# Allegro board 8880F5-0824_updates.brd (continued)
## Routing (per net, layer and track width the routed paths; a pad name or vN(x,y) marks a point on that pad's centre or on a via; arc(x,y) is an arc through that point) (continued)
245.67,71.12 ; D322.B6 247.09,71.12 ; D322.B6 246.38,71.83 ; 334.47,388.62 D116.B6 ; D116.B6 335.28,387.81 ; D116.B6 336.09,388.62 ; D116.B6 335.28,389.43 ; 40.64,55.07 D127.A12 ; D127.A12 41.45,55.88 ; D127.A12 40.64,56.69 ; D127.A12 39.83,55.88 ; 93.98,75.39 D130.A4 ; D130.A4 94.79,76.2 ; D130.A4 93.98,77.01 ; D130.A4 93.17,76.2 ; D110.A4 414.02,353.87 ; D110.A4 414.02,352.25 ; D110.A4 413.21,353.06 ; D110.A4 414.83,353.06 ; 307.34,88.19 D301.B1 ; D301.B1 306.63,88.9 ; D301.B1 307.34,89.61 ; D301.B1 308.05,88.9 ; D124.A13 264.97,33.02 ; D124.A13 264.16,33.83 ; D124.A13 264.16,32.21 ; D124.A13 263.35,33.02 ; D103.B1 308.15,58.42 ; D103.B1 306.53,58.42 ; D103.B1 307.34,59.23 ; D103.B1 307.34,57.61 ; 382.73,40.64 D108.B2 ; D108.B2 383.54,39.83 ; D108.B2 384.35,40.64 ; D108.B2 383.54,41.45 ; 414.02,65.33 D306.A14 ; D306.A14 413.31,66.04 ; D306.A14 414.73,66.04 ; D306.A14 414.02,66.75 ; 182.07,60.96 D119.B10 ; D119.B10 182.88,61.77 ; D119.B10 182.88,60.15 ; D119.B10 183.69,60.96 ; D132.A11 111.76,33.83 ; D132.A11 112.57,33.02 ; D132.A11 110.95,33.02 ; D132.A11 111.76,32.21 ; D125.B2 15.24,102.41 ; D125.B2 16.05,101.6 ; D125.B2 15.24,100.79 ; D125.B2 14.43,101.6 ; 337.82,57.61 D103.B13 ; D103.B13 337.01,58.42 ; D103.B13 337.82,59.23 ; D103.B13 338.63,58.42 ; D111.A10 399.59,373.38 ; D111.A10 398.78,372.57 ; D111.A10 398.78,374.19 ; D111.A10 397.97,373.38 ; 238.76,37.29 D124.B3 ; D124.B3 238.76,38.91 ; D124.B3 239.57,38.1 ; D124.B3 237.95,38.1 ; 401.32,395.43 D112.A9 ; D112.A9 401.32,397.05 ; D112.A9 400.51,396.24 ; D112.A9 402.13,396.24 ; D129.B9 106.68,99.87 ; D129.B9 106.68,98.25 ; D129.B9 105.87,99.06 ; D129.B9 107.49,99.06 ; D322.A9 254.71,63.5 ; D322.A9 253.29,63.5 ; D322.A9 254,64.21 ; D322.A9 254,62.79 ; 270.97,332.74 CSDPS225.B2 ; CSDPS225.B2 271.78,331.93 ; CSDPS225.B2 271.78,333.55 ; CSDPS225.B2 272.59,332.74 ; 167.64,85.65 D317.A4 ; D317.A4 166.93,86.36 ; D317.A4 168.35,86.36 ; D317.A4 167.64,87.07 ; 397.97,55.88 D107.A8 ; D107.A8 399.59,55.88 ; D107.A8 398.78,56.69 ; D107.A8 398.78,55.07 ; D125.A14 46.53,96.52 ; D125.A14 44.91,96.52 ; D125.A14 45.72,95.71 ; D125.A14 45.72,97.33 ; 274.32,329.39 CSDPS225.C1 ; CSDPS225.C1 273.51,330.2 ; CSDPS225.C1 274.32,331.01 ; CSDPS225.C1 275.13,330.2 ; D115.B8 330.2,369.11 ; D115.B8 330.2,367.49 ; D115.B8 329.39,368.3 ; D115.B8 331.01,368.3 ; 248.92,67.87 D322.B7 ; D322.B7 248.92,69.29 ; D322.B7 249.63,68.58 ; D322.B7 248.21,68.58 ; 403.05,327.66 D109.B8 ; D109.B8 403.86,326.85 ; D109.B8 403.86,328.47 ; D109.B8 404.67,327.66 ; D128.A16 50.8,36.37 ; D128.A16 49.99,35.56 ; D128.A16 51.61,35.56 ; D128.A16 50.8,34.75 ; 390.35,391.16 D112.B13 ; D112.B13 391.16,390.35 ; D112.B13 391.97,391.16 ; D112.B13 391.16,391.97 ; 19.51,101.6 D125.B4 ; D125.B4 21.13,101.6 ; D125.B4 20.32,100.79 ; D125.B4 20.32,102.41 ; 248.11,330.2 CSDPS225.C11 ; CSDPS225.C11 248.92,329.39 ; CSDPS225.C11 248.92,331.01 ; CSDPS225.C11 249.73,330.2 ; 415.75,391.16 D112.B3 ; D112.B3 416.56,391.97 ; D112.B3 417.37,391.16 ; D112.B3 416.56,390.35 ; D119.A4 167.64,56.69 ; D119.A4 166.83,55.88 ; D119.A4 167.64,55.07 ; D119.A4 168.45,55.88 ; 337.82,409.4 DPS2.C05 ; DPS2.C05 337.01,410.21 ; DPS2.C05 338.63,410.21 ; DPS2.C05 337.82,411.02 ; 391.16,62.79 D306.A5 ; D306.A5 391.16,64.21 ; D306.A5 390.45,63.5 ; D306.A5 391.87,63.5 ; 411.48,77.93 D106.B13 ; D106.B13 410.67,78.74 ; D106.B13 412.29,78.74 ; D106.B13 411.48,79.55 ; D131.A1 86.36,54.15 ; D131.A1 87.17,53.34 ; D131.A1 86.36,52.53 ; D131.A1 85.55,53.34 ; 182.88,39.83 D120.B10 ; D120.B10 182.88,41.45 ; D120.B10 182.07,40.64 ; D120.B10 183.69,40.64 ; D126.A16 50.8,77.01 ; D126.A16 50.8,75.39 ; D126.A16 51.61,76.2 ; D126.A16 49.99,76.2 ; 171.91,378.46 D431.B12 ; D431.B12 173.53,378.46 ; D431.B12 172.72,377.65 ; D431.B12 172.72,379.27 ; 27.94,77.93 D126.B7 ; D126.B7 27.13,78.74 ; D126.B7 28.75,78.74 ; D126.B7 27.94,79.55 ; D104.B8 325.93,40.64 ; D104.B8 325.12,39.83 ; D104.B8 325.12,41.45 ; D104.B8 324.31,40.64 ; 342.9,88.19 D301.B15 ; D301.B15 343.61,88.9 ; D301.B15 342.19,88.9 ; D301.B15 342.9,89.61 ; 260.91,66.04 D322.A12 ; D322.A12 262.33,66.04 ; D322.A12 261.62,66.75 ; D322.A12 261.62,65.33 ; D119.A2 163.37,55.88 ; D119.A2 162.56,56.69 ; D119.A2 162.56,55.07 ; D119.A2 161.75,55.88 ; 175.26,329.39 CSDPS229.C11 ; CSDPS229.C11 174.45,330.2 ; CSDPS229.C11 175.26,331.01 ; CSDPS229.C11 176.07,330.2 ; 256.54,331.93 CSDPS225.B8 ; CSDPS225.B8 256.54,333.55 ; CSDPS225.B8 255.73,332.74 ; CSDPS225.B8 257.35,332.74 ; 271.78,34.75 D124.A16 ; D124.A16 272.59,35.56 ; D124.A16 270.97,35.56 ; D124.A16 271.78,36.37 ; D431.A15 165.91,386.08 ; D431.A15 165.1,386.89 ; D431.A15 165.1,385.27 ; D431.A15 164.29,386.08 ; D109.A2 419.91,332.74 ; D109.A2 419.1,333.55 ; D109.A2 418.29,332.74 ; D109.A2 419.1,331.93 ; 413.21,81.28 D106.B14 ; D106.B14 414.02,82.09 ; D106.B14 414.02,80.47 ; D106.B14 414.83,81.28 ; D112.A1 421.64,397.05 ; D112.A1 421.64,395.43 ; D112.A1 420.83,396.24 ; D112.A1 422.45,396.24 ; 251.46,60.15 D123.B8 ; D123.B8 250.65,60.96 ; D123.B8 251.46,61.77 ; D123.B8 252.27,60.96 ; 104.14,95.71 D129.A8 ; D129.A8 104.95,96.52 ; D129.A8 104.14,97.33 ; D129.A8 103.33,96.52 ; D231.A15 165.1,376.73 ; D231.A15 165.1,375.11 ; D231.A15 165.91,375.92 ; D231.A15 164.29,375.92 ; 340.36,352.25 D114.A4 ; D114.A4 340.36,353.87 ; D114.A4 339.55,353.06 ; D114.A4 341.17,353.06 ; D123.A10 257.35,55.88 ; D123.A10 256.54,55.07 ; D123.A10 255.73,55.88 ; D123.A10 256.54,56.69 ; D122.A16 271.78,77.01 ; D122.A16 270.97,76.2 ; D122.A16 272.59,76.2 ; D122.A16 271.78,75.39 ; D301.B16 345.44,92.15 ; D301.B16 345.44,90.73 ; D301.B16 346.15,91.44 ; D301.B16 344.73,91.44 ; 174.45,410.21 DPS8.C11 ; DPS8.C11 176.07,410.21 ; DPS8.C11 175.26,409.4 ; DPS8.C11 175.26,411.02 ; D102.A16 345.44,77.01 ; D102.A16 345.44,75.39 ; D102.A16 344.63,76.2 ; D102.A16 346.25,76.2 ; 47.45,99.06 D125.B15 ; D125.B15 48.26,98.25 ; D125.B15 49.07,99.06 ; D125.B15 48.26,99.87 ; 180.34,380.19 D431.B9 ; D431.B9 181.15,381 ; D431.B9 179.53,381 ; D431.B9 180.34,381.81 ; 19.51,96.52 D125.A4 ; D125.A4 20.32,97.33 ; D125.A4 21.13,96.52 ; D125.A4 20.32,95.71 ; 121.92,57.61 D131.B15 ; D131.B15 122.73,58.42 ; D131.B15 121.11,58.42 ; D131.B15 121.92,59.23 ; 421.64,390.35 D112.B1 ; D112.B1 422.45,391.16 ; D112.B1 421.64,391.97 ; D112.B1 420.83,391.16 ; D126.A4 21.13,76.2 ; D126.A4 20.32,75.39 ; D126.A4 20.32,77.01 ; D126.A4 19.51,76.2 ; D301.B9 327.66,89.61 ; D301.B9 326.95,88.9 ; D301.B9 327.66,88.19 ; D301.B9 328.37,88.9 ; 381,57.61 D107.B1 ; D107.B1 380.19,58.42 ; D107.B1 381,59.23 ; D107.B1 381.81,58.42 ; D119.A1 160.02,54.15 ; D119.A1 160.83,53.34 ; D119.A1 159.21,53.34 ; D119.A1 160.02,52.53 ; CSDPS425.B6 262.43,342.9 ; CSDPS425.B6 261.62,342.09 ; CSDPS425.B6 261.62,343.71 ; CSDPS425.B6 260.81,342.9 ; 408.23,91.44 D305.B12 ; D305.B12 408.94,92.15 ; D305.B12 409.65,91.44 ; D305.B12 408.94,90.73 ; D317.B10 183.59,91.44 ; D317.B10 182.88,92.15 ; D317.B10 182.17,91.44 ; D317.B10 182.88,90.73 ; 187.15,55.88 D119.A12 ; D119.A12 187.96,56.69 ; D119.A12 188.77,55.88 ; D119.A12 187.96,55.07 ; D126.A10 36.37,76.2 ; D126.A10 34.75,76.2 ; D126.A10 35.56,77.01 ; D126.A10 35.56,75.39 ; D103.A10 331.01,55.88 ; D103.A10 330.2,56.69 ; D103.A10 330.2,55.07 ; D103.A10 329.39,55.88 ; 90.63,53.34 D131.A3 ; D131.A3 91.44,52.53 ; D131.A3 92.25,53.34 ; D131.A3 91.44,54.15 ; 86.36,37.29 D132.B1 ; D132.B1 86.36,38.91 ; D132.B1 85.55,38.1 ; D132.B1 87.17,38.1 ; D104.A14 341.17,35.56 ; D104.A14 339.55,35.56 ; D104.A14 340.36,36.37 ; D104.A14 340.36,34.75 ; D125.B1 12.7,99.87 ; D125.B1 13.51,99.06 ; D125.B1 11.89,99.06 ; D125.B1 12.7,98.25 ; 314.96,65.33 D302.A4 ; D302.A4 314.96,66.75 ; D302.A4 314.25,66.04 ; D302.A4 315.67,66.04 ; D107.B4 388.62,61.77 ; D107.B4 388.62,60.15 ; D107.B4 389.43,60.96 ; D107.B4 387.81,60.96 ; 90.63,73.66 D130.A3 ; D130.A3 91.44,72.85 ; D130.A3 92.25,73.66 ; D130.A3 91.44,74.47 ; D127.B16 51.61,60.96 ; D127.B16 50.8,61.77 ; D127.B16 50.8,60.15 ; D127.B16 49.99,60.96 ; D305.B13 412.19,88.9 ; D305.B13 411.48,89.61 ; D305.B13 411.48,88.19 ; D305.B13 410.77,88.9 ; D306.A2 384.25,66.04 ; D306.A2 383.54,66.75 ; D306.A2 382.83,66.04 ; D306.A2 383.54,65.33 ; D318.A1 160.73,63.5 ; D318.A1 160.02,64.21 ; D318.A1 160.02,62.79 ; D318.A1 159.31,63.5 ; D130.A12 115.11,76.2 ; D130.A12 113.49,76.2 ; D130.A12 114.3,77.01 ; D130.A12 114.3,75.39 ; D302.B1 308.05,68.58 ; D302.B1 307.34,67.87 ; D302.B1 306.63,68.58 ; D302.B1 307.34,69.29 ; 252.33,187.45 SITE3.G11 ; SITE3.G11 252.33,188.41 ; SITE3.G11 252.81,187.93 ; SITE3.G11 251.85,187.93 ; D116.B9 328.47,391.16 ; D116.B9 327.66,391.97 ; D116.B9 327.66,390.35 ; D116.B9 326.85,391.16 ; D116.B5 338.63,391.16 ; D116.B5 337.01,391.16 ; D116.B5 337.82,391.97 ; D116.B5 337.82,390.35 ; D125.B9 33.02,99.87 ; D125.B9 33.02,98.25 ; D125.B9 32.21,99.06 ; D125.B9 33.83,99.06 ; D306.B5 391.87,68.58 ; D306.B5 391.16,67.87 ; D306.B5 391.16,69.29 ; D306.B5 390.45,68.58 ; 263.35,73.66 D122.A13 ; D122.A13 264.97,73.66 ; D122.A13 264.16,72.85 ; D122.A13 264.16,74.47 ; 395.43,53.34 D107.A7 ; D107.A7 396.24,52.53 ; D107.A7 397.05,53.34 ; D107.A7 396.24,54.15 ; 172.72,85.65 D317.A6 ; D317.A6 172.72,87.07 ; D317.A6 172.01,86.36 ; D317.A6 173.43,86.36 ; 347.98,414.48 DPS2.A01 ; DPS2.A01 348.79,415.29 ; DPS2.A01 347.17,415.29 ; DPS2.A01 347.98,416.1 ; D302.B10 330.2,71.83 ; D302.B10 329.49,71.12 ; D302.B10 330.91,71.12 ; D302.B10 330.2,70.41 ; 176.99,368.3 D231.B10 ; D231.B10 177.8,369.11 ; D231.B10 177.8,367.49 ; D231.B10 178.61,368.3 ; 50.8,100.79 D125.B16 ; D125.B16 49.99,101.6 ; D125.B16 51.61,101.6 ; D125.B16 50.8,102.41 ; D106.A13 412.29,73.66 ; D106.A13 410.67,73.66 ; D106.A13 411.48,74.47 ; D106.A13 411.48,72.85 ; 403.86,65.33 D306.A10 ; D306.A10 403.15,66.04 ; D306.A10 404.57,66.04 ; D306.A10 403.86,66.75 ; 398.78,80.47 D106.B8 ; D106.B8 399.59,81.28 ; D106.B8 397.97,81.28 ; D106.B8 398.78,82.09 ; D122.A14 266.7,77.01 ; D122.A14 265.89,76.2 ; D122.A14 267.51,76.2 ; D122.A14 266.7,75.39 ; D131.A11 111.76,54.15 ; D131.A11 111.76,52.53 ; D131.A11 110.95,53.34 ; D131.A11 112.57,53.34 ; 416.56,370.03 D111.B3 ; D111.B3 415.75,370.84 ; D111.B3 417.37,370.84 ; D111.B3 416.56,371.65 ; D129.B13 117.65,99.06 ; D129.B13 116.03,99.06 ; D129.B13 116.84,98.25 ; D129.B13 116.84,99.87 ; 177.8,382.73 D431.A10 ; D431.A10 176.99,383.54 ; D431.A10 177.8,384.35 ; D431.A10 178.61,383.54 ; 335.28,326.85 D113.B6 ; D113.B6 336.09,327.66 ; D113.B6 334.47,327.66 ; D113.B6 335.28,328.47 ; CSDPS225.C7 259.08,331.01 ; CSDPS225.C7 259.89,330.2 ; CSDPS225.C7 258.27,330.2 ; CSDPS225.C7 259.08,329.39 ; D306.B15 416.56,69.29 ; D306.B15 417.27,68.58 ; D306.B15 416.56,67.87 ; D306.B15 415.85,68.58 ; U1.4 97.04,206.48 ; U1.4 96.1,205.54 ; U1.4 97.04,204.6 ; U1.4 97.98,205.54 ; D322.B4 241.3,71.83 ; D322.B4 241.3,70.41 ; D322.B4 240.59,71.12 ; D322.B4 242.01,71.12 ; 321.77,375.92 D115.A11 ; D115.A11 322.58,375.11 ; D115.A11 322.58,376.73 ; D115.A11 323.39,375.92 ; D301.A8 325.83,86.36 ; D301.A8 325.12,85.65 ; D301.A8 324.41,86.36 ; D301.A8 325.12,87.07 ; UNK4U1.4 483.53,185.11 ; UNK4U1.4 481.65,185.11 ; UNK4U1.4 482.59,186.05 ; UNK4U1.4 482.59,184.17 ; D131.A12 115.11,55.88 ; D131.A12 114.3,56.69 ; D131.A12 113.49,55.88 ; D131.A12 114.3,55.07 ; 403.15,86.36 D305.A10 ; D305.A10 403.86,85.65 ; D305.A10 404.57,86.36 ; D305.A10 403.86,87.07 ; D113.A15 313.23,335.28 ; D113.A15 311.61,335.28 ; D113.A15 312.42,334.47 ; D113.A15 312.42,336.09 ; 182.88,85.65 D317.A10 ; D317.A10 182.17,86.36 ; D317.A10 182.88,87.07 ; D317.A10 183.59,86.36 ; D317.A16 198.83,86.36 ; D317.A16 197.41,86.36 ; D317.A16 198.12,85.65 ; D317.A16 198.12,87.07 ; D322.A4 242.01,66.04 ; D322.A4 240.59,66.04 ; D322.A4 241.3,65.33 ; D322.A4 241.3,66.75 ; D231.B3 196.39,370.84 ; D231.B3 194.77,370.84 ; D231.B3 195.58,370.03 ; D231.B3 195.58,371.65 ; 197.31,383.54 D431.A2 ; D431.A2 198.12,382.73 ; D431.A2 198.93,383.54 ; D431.A2 198.12,384.35 ; 328.33,247.45 SITE2.G7 ; SITE2.G7 328.81,247.93 ; SITE2.G7 327.85,247.93 ; SITE2.G7 328.33,248.41 ; SITE3.G2 249.33,181.81 ; SITE3.G2 249.81,181.33 ; SITE3.G2 248.85,181.33 ; SITE3.G2 249.33,180.85 ; D127.B4 21.13,60.96 ; D127.B4 19.51,60.96 ; D127.B4 20.32,61.77 ; D127.B4 20.32,60.15 ; 175.26,375.11 D231.A11 ; D231.A11 176.07,375.92 ; D231.A11 175.26,376.73 ; D231.A11 174.45,375.92 ; 264.16,62.79 D322.A13 ; D322.A13 264.16,64.21 ; D322.A13 263.45,63.5 ; D322.A13 264.87,63.5 ; D107.A16 419.1,56.69 ; D107.A16 419.91,55.88 ; D107.A16 418.29,55.88 ; D107.A16 419.1,55.07 ; 331.43,242.35 SITE2.G15 ; SITE2.G15 331.43,243.31 ; SITE2.G15 331.91,242.83 ; SITE2.G15 330.95,242.83 ; D231.A13 170.18,376.73 ; D231.A13 170.99,375.92 ; D231.A13 169.37,375.92 ; D231.A13 170.18,375.11 ; 15.24,80.47 D126.B2 ; D126.B2 16.05,81.28 ; D126.B2 15.24,82.09 ; D126.B2 14.43,81.28 ; D132.B6 99.06,41.45 ; D132.B6 98.25,40.64 ; D132.B6 99.87,40.64 ; D132.B6 99.06,39.83 ; 416.56,329.39 D109.B3 ; D109.B3 417.37,330.2 ; D109.B3 416.56,331.01 ; D109.B3 415.75,330.2 ; D126.A12 40.64,77.01 ; D126.A12 40.64,75.39 ; D126.A12 41.45,76.2 ; D126.A12 39.83,76.2 ; 256.54,75.39 D122.A10 ; D122.A10 256.54,77.01 ; D122.A10 255.73,76.2 ; D122.A10 257.35,76.2 ; 88.9,80.47 D130.B2 ; D130.B2 88.09,81.28 ; D130.B2 88.9,82.09 ; D130.B2 89.71,81.28 ; 106.68,72.85 D130.A9 ; D130.A9 106.68,74.47 ; D130.A9 107.49,73.66 ; D130.A9 105.87,73.66 ; D322.A1 233.68,64.21 ; D322.A1 232.97,63.5 ; D322.A1 234.39,63.5 ; D322.A1 233.68,62.79 ; D116.A3 343.71,396.24 ; D116.A3 342.9,397.05 ; D116.A3 342.09,396.24 ; D116.A3 342.9,395.43 ; 405.59,33.02 D108.A11 ; D108.A11 406.4,33.83 ; D108.A11 407.21,33.02 ; D108.A11 406.4,32.21 ; 321.77,330.2 D113.B11 ; D113.B11 322.58,331.01 ; D113.B11 323.39,330.2 ; D113.B11 322.58,329.39 ; 387.81,81.28 D106.B4 ; D106.B4 388.62,82.09 ; D106.B4 389.43,81.28 ; D106.B4 388.62,80.47 ; SITE3.G13 249.03,183.31 ; SITE3.G13 249.03,182.35 ; SITE3.G13 249.51,182.83 ; SITE3.G13 248.55,182.83 ; D118.B14 193.04,82.09 ; D118.B14 193.04,80.47 ; D118.B14 193.85,81.28 ; D118.B14 192.23,81.28 ; D130.B1 87.17,78.74 ; D130.B1 86.36,77.93 ; D130.B1 86.36,79.55 ; D130.B1 85.55,78.74 ; D131.A8 104.14,56.69 ; D131.A8 104.14,55.07 ; D131.A8 104.95,55.88 ; D131.A8 103.33,55.88 ; D301.B3 312.42,89.61 ; D301.B3 311.71,88.9 ; D301.B3 313.13,88.9 ; D301.B3 312.42,88.19 ; D112.B14 388.62,389.43 ; D112.B14 389.43,388.62 ; D112.B14 387.81,388.62 ; D112.B14 388.62,387.81 ; 327.66,62.79 D302.A9 ; D302.A9 328.37,63.5 ; D302.A9 326.95,63.5 ; D302.A9 327.66,64.21 ; 273.51,340.36 CSDPS425.C1 ; CSDPS425.C1 275.13,340.36 ; CSDPS425.C1 274.32,341.17 ; CSDPS425.C1 274.32,339.55 ; 27.94,98.25 D125.B7 ; D125.B7 28.75,99.06 ; D125.B7 27.13,99.06 ; D114.A6 336.09,353.06 ; D114.A6 334.47,353.06 ; D114.A6 335.28,352.25 ; D114.A6 335.28,353.87 ; D118.A1 160.83,73.66 ; D118.A1 159.21,73.66 ; D118.A1 160.02,72.85 ; D118.A1 160.02,74.47 ; D104.B3 312.42,38.91 ; D104.B3 313.23,38.1 ; D104.B3 312.42,37.29 ; D104.B3 311.61,38.1 ; 320.04,90.73 D301.B6 ; D301.B6 319.33,91.44 ; D301.B6 320.75,91.44 ; D301.B6 320.04,92.15 ; 386.08,37.29 D108.B3 ; D108.B3 385.27,38.1 ; D108.B3 386.89,38.1 ; D108.B3 386.08,38.91 ; 43.18,93.17 D125.A13 ; D125.A13 43.99,93.98 ; D125.A13 43.18,94.79 ; D125.A13 42.37,93.98 ; 269.24,13.16 DPS3.A15 ; DPS3.A15 270.05,13.97 ; DPS3.A15 268.43,13.97 ; DPS3.A15 269.24,14.78 ; 333.33,187.45 SITE4.G12 ; SITE4.G12 333.81,187.93 ; SITE4.G12 332.85,187.93 ; SITE4.G12 333.33,188.41 ; 408.23,86.36 D305.A12 ; D305.A12 409.65,86.36 ; D305.A12 408.94,87.07 ; D305.A12 408.94,85.65 ; 329.85,241.33 SITE2.G3 ; SITE2.G3 330.33,241.81 ; SITE2.G3 330.33,240.85 ; SITE2.G3 330.81,241.33 ; 198.12,342.09 CSDPS429.B2 ; CSDPS429.B2 198.12,343.71 ; CSDPS429.B2 198.93,342.9 ; CSDPS429.B2 197.31,342.9 ; D115.B14 315.77,368.3 ; D115.B14 314.15,368.3 ; D115.B14 314.96,369.11 ; D115.B14 314.96,367.49 ; 311.61,330.2 D113.B15 ; D113.B15 312.42,329.39 ; D113.B15 312.42,331.01 ; D113.B15 313.23,330.2 ; 98.25,76.2 D130.A6 ; D130.A6 99.87,76.2 ; D130.A6 99.06,77.01 ; D130.A6 99.06,75.39 ; D119.A16 198.12,56.69 ; D119.A16 197.31,55.88 ; D119.A16 198.93,55.88 ; D119.A16 198.12,55.07 ; D305.A9 402.03,83.82 ; D305.A9 400.61,83.82 ; D305.A9 401.32,84.53 ; D305.A9 401.32,83.11 ; 167.64,75.39 D118.A4 ; D118.A4 168.45,76.2 ; D118.A4 167.64,77.01 ; D118.A4 166.83,76.2 ; 250.65,40.64 D124.B8 ; D124.B8 251.46,41.45 ; D124.B8 252.27,40.64 ; D124.B8 251.46,39.83 ; 271.78,65.33 D322.A16 ; D322.A16 271.07,66.04 ; D322.A16 272.49,66.04 ; D322.A16 271.78,66.75 ; 327.66,354.79 D114.A9 ; D114.A9 327.66,356.41 ; D114.A9 326.85,355.6 ; D114.A9 328.47,355.6 ; 189.69,340.36 CSDPS429.C5 ; CSDPS429.C5 191.31,340.36 ; CSDPS429.C5 190.5,341.17 ; CSDPS429.C5 190.5,339.55 ; D302.B2 310.59,71.12 ; D302.B2 309.88,70.41 ; D302.B2 309.88,71.83 ; D302.B2 309.17,71.12 ; SITE4.G5 332.33,181.81 ; SITE4.G5 332.33,180.85 ; SITE4.G5 332.81,181.33 ; SITE4.G5 331.85,181.33 ; 382.73,327.66 D109.B16 ; D109.B16 384.35,327.66 ; D109.B16 383.54,326.85 ; D109.B16 383.54,328.47 ; 253.33,187.45 SITE3.G12 ; SITE3.G12 252.85,187.93 ; SITE3.G12 253.33,188.41 ; SITE3.G12 253.81,187.93 ; D129.B4 94.79,101.6 ; D129.B4 93.98,102.41 ; D129.B4 93.98,100.79 ; D129.B4 93.17,101.6 ; D104.B9 327.66,38.91 ; D104.B9 326.85,38.1 ; D104.B9 328.47,38.1 ; D104.B9 327.66,37.29 ; 250.85,187.93 SITE3.G10 ; SITE3.G10 251.81,187.93 ; SITE3.G10 251.33,188.41 ; SITE3.G10 251.33,187.45 ; 255.73,35.56 D124.A10 ; D124.A10 256.54,36.37 ; D124.A10 256.54,34.75 ; D124.A10 257.35,35.56 ; 184.61,53.34 D119.A11 ; D119.A11 185.42,54.15 ; D119.A11 186.23,53.34 ; D119.A11 185.42,52.53 ; 329.39,347.98 D114.B8 ; D114.B8 330.2,347.17 ; D114.B8 330.2,348.79 ; D114.B8 331.01,347.98 ; 317.5,390.35 D116.B13 ; D116.B13 318.31,391.16 ; D116.B13 316.69,391.16 ; D116.B13 317.5,391.97 ; D119.A13 191.31,53.34 ; D119.A13 190.5,52.53 ; D119.A13 190.5,54.15 ; D119.A13 189.69,53.34 ; 93.98,80.47 D130.B4 ; D130.B4 93.17,81.28 ; D130.B4 94.79,81.28 ; D130.B4 93.98,82.09 ; 90.63,99.06 D129.B3 ; D129.B3 91.44,98.25 ; D129.B3 92.25,99.06 ; D129.B3 91.44,99.87 ; D128.A6 25.4,36.37 ; D128.A6 25.4,34.75 ; D128.A6 26.21,35.56 ; D128.A6 24.59,35.56 ; 408.94,326.85 D109.B6 ; D109.B6 409.75,327.66 ; D109.B6 408.94,328.47 ; D109.B6 408.13,327.66 ; 344.63,55.88 D103.A16 ; D103.A16 345.44,55.07 ; D103.A16 346.25,55.88 ; D103.A16 345.44,56.69 ; 314.96,80.47 D102.B4 ; D102.B4 314.96,82.09 ; D102.B4 314.15,81.28 ; D102.B4 315.77,81.28 ; 86.36,72.85 D130.A1 ; D130.A1 87.17,73.66 ; D130.A1 86.36,74.47 ; D130.A1 85.55,73.66 ; 241.3,85.65 D321.A4 ; D321.A4 241.3,87.07 ; D321.A4 242.01,86.36 ; D321.A4 240.59,86.36 ; 123.65,35.56 D132.A16 ; D132.A16 124.46,36.37 ; D132.A16 124.46,34.75 ; D132.A16 125.27,35.56 ; 248.11,340.36 CSDPS425.C11 ; CSDPS425.C11 249.73,340.36 ; CSDPS425.C11 248.92,339.55 ; CSDPS425.C11 248.92,341.17 ; 309.07,81.28 D102.B2 ; D102.B2 309.88,80.47 ; D102.B2 310.69,81.28 ; D102.B2 309.88,82.09 ; 48.26,32.21 D128.A15 ; D128.A15 48.26,33.83 ; D128.A15 49.07,33.02 ; D128.A15 47.45,33.02 ; D127.B13 43.18,59.23 ; D127.B13 42.37,58.42 ; D127.B13 43.99,58.42 ; D127.B13 43.18,57.61 ; 317.5,62.79 D302.A5 ; D302.A5 317.5,64.21 ; D302.A5 318.21,63.5 ; D302.A5 316.79,63.5 ; 179.53,73.66 D118.A9 ; D118.A9 181.15,73.66 ; D118.A9 180.34,72.85 ; D118.A9 180.34,74.47 ; D113.B13 317.5,331.01 ; D113.B13 316.69,330.2 ; D113.B13 318.31,330.2 ; D113.B13 317.5,329.39 ; D120.B14 193.04,41.45 ; D120.B14 193.04,39.83 ; D120.B14 192.23,40.64 ; D120.B14 193.85,40.64 ; 339.55,332.74 D113.A4 ; D113.A4 340.36,331.93 ; D113.A4 340.36,333.55 ; D113.A4 341.17,332.74 ; 330.23,182.35 SITE4.G14 ; SITE4.G14 330.71,182.83 ; SITE4.G14 329.75,182.83 ; SITE4.G14 330.23,183.31 ; 198.12,80.47 D118.B16 ; D118.B16 198.93,81.28 ; D118.B16 198.12,82.09 ; D118.B16 197.31,81.28 ; D106.A3 386.89,73.66 ; D106.A3 386.08,74.47 ; D106.A3 386.08,72.85 ; D106.A3 385.27,73.66 ; 179.53,38.1 D120.B9 ; D120.B9 180.34,38.91 ; D120.B9 180.34,37.29 ; D120.B9 181.15,38.1 ; D122.A1 233.68,74.47 ; D122.A1 234.49,73.66 ; D122.A1 233.68,72.85 ; D122.A1 232.87,73.66 ; 96.52,32.21 D132.A5 ; D132.A5 96.52,33.83 ; D132.A5 97.33,33.02 ; D132.A5 95.71,33.02 ; D302.A10 330.2,66.75 ; D302.A10 330.91,66.04 ; D302.A10 330.2,65.33 ; D302.A10 329.49,66.04 ; 259.08,72.85 D122.A11 ; D122.A11 258.27,73.66 ; D122.A11 259.89,73.66 ; D122.A11 259.08,74.47 ; D317.B7 175.26,89.61 ; D317.B7 175.97,88.9 ; D317.B7 174.55,88.9 ; D317.B7 175.26,88.19 ; D305.B3 386.08,89.61 ; D305.B3 386.08,88.19 ; D305.B3 386.79,88.9 ; D305.B3 385.37,88.9 ; 236.22,39.83 D124.B2 ; D124.B2 236.22,41.45 ; D124.B2 235.41,40.64 ; D124.B2 237.03,40.64 ; D302.A16 346.15,66.04 ; D302.A16 345.44,65.33 ; D302.A16 345.44,66.75 ; D302.A16 344.73,66.04 ; D108.B9 402.13,38.1 ; D108.B9 401.32,37.29 ; D108.B9 401.32,38.91 ; D108.B9 400.51,38.1 ; 30.48,34.75 D128.A8 ; D128.A8 29.67,35.56 ; D128.A8 30.48,36.37 ; D128.A8 31.29,35.56 ; 400.51,350.52 D110.B9 ; D110.B9 402.13,350.52 ; D110.B9 401.32,349.71 ; D110.B9 401.32,351.33 ; CSDPS429.C11 176.07,340.36 ; CSDPS429.C11 174.45,340.36 ; CSDPS429.C11 175.26,339.55 ; CSDPS429.C11 175.26,341.17 ; D110.B16 383.54,348.79 ; D110.B16 384.35,347.98 ; D110.B16 383.54,347.17 ; D110.B16 382.73,347.98 ; 169.47,63.5 D318.A5 ; D318.A5 170.18,64.21 ; D318.A5 170.18,62.79 ; D318.A5 170.89,63.5 ; D114.A11 322.58,356.41 ; D114.A11 321.77,355.6 ; D114.A11 322.58,354.79 ; D114.A11 323.39,355.6 ; 190.5,414.48 DPS8.A05 ; DPS8.A05 189.69,415.29 ; DPS8.A05 190.5,416.1 ; DPS8.A05 191.31,415.29 ; 382.83,91.44 D305.B2 ; D305.B2 383.54,92.15 ; D305.B2 383.54,90.73 ; D305.B2 384.25,91.44 ; D118.A6 173.53,76.2 ; D118.A6 172.72,75.39 ; D118.A6 171.91,76.2 ; D118.A6 172.72,77.01 ; D119.B8 177.8,61.77 ; D119.B8 176.99,60.96 ; D119.B8 177.8,60.15 ; D119.B8 178.61,60.96 ; 414.02,75.39 D106.A14 ; D106.A14 414.02,77.01 ; D106.A14 413.21,76.2 ; D106.A14 414.83,76.2 ; 380.19,13.97 DPS1.A01 ; DPS1.A01 381,14.78 ; DPS1.A01 381.81,13.97 ; DPS1.A01 381,13.16 ; 381,37.29 D108.B1 ; D108.B1 380.19,38.1 ; D108.B1 381.81,38.1 ; D108.B1 381,38.91 ; D113.A3 342.9,336.09 ; D113.A3 342.9,334.47 ; D113.A3 342.09,335.28 ; D113.A3 343.71,335.28 ; D129.A12 114.3,97.33 ; D129.A12 115.11,96.52 ; D129.A12 113.49,96.52 ; D129.A12 114.3,95.71 ; SITE1.G9 250.81,247.93 ; SITE1.G9 249.85,247.93 ; SITE1.G9 250.33,247.45 ; SITE1.G9 250.33,248.41 ; SITE3.G18 250.23,186.91 ; SITE3.G18 250.71,186.43 ; SITE3.G18 250.23,185.95 ; SITE3.G18 249.75,186.43 ; D108.A9 402.13,33.02 ; D108.A9 401.32,33.83 ; D108.A9 401.32,32.21 ; D108.A9 400.51,33.02 ; 193.04,85.65 D317.A14 ; D317.A14 193.04,87.07 ; D317.A14 193.75,86.36 ; D317.A14 192.33,86.36 ; 109.22,75.39 D130.A10 ; D130.A10 108.41,76.2 ; D130.A10 110.03,76.2 ; D130.A10 109.22,77.01 ; D116.B8 330.2,389.43 ; D116.B8 329.39,388.62 ; D116.B8 331.01,388.62 ; D116.B8 330.2,387.81 ; D301.A15 342.9,84.53 ; D301.A15 343.61,83.82 ; D301.A15 342.19,83.82 ; D301.A15 342.9,83.11 ; 184.71,63.5 D318.A11 ; D318.A11 186.13,63.5 ; D318.A11 185.42,64.21 ; D318.A11 185.42,62.79 ; 326.85,335.28 D113.A9 ; D113.A9 327.66,336.09 ; D113.A9 328.47,335.28 ; D113.A9 327.66,334.47 ; D115.B5 337.82,371.65 ; D115.B5 337.82,370.03 ; D115.B5 337.01,370.84 ; D115.B5 338.63,370.84 ; 175.26,385.27 D431.A11 ; D431.A11 175.26,386.89 ; D431.A11 174.45,386.08 ; D431.A11 176.07,386.08 ; D128.B13 43.18,38.91 ; D128.B13 43.18,37.29 ; D128.B13 43.99,38.1 ; D128.B13 42.37,38.1 ; D107.B11 406.4,59.23 ; D107.B11 407.21,58.42 ; D107.B11 406.4,57.61 ; D107.B11 405.59,58.42 ; 187.96,372.57 D231.A6 ; D231.A6 188.77,373.38 ; D231.A6 187.96,374.19 ; D231.A6 187.15,373.38 ; 383.54,80.47 D106.B2 ; D106.B2 382.73,81.28 ; D106.B2 383.54,82.09 ; D106.B2 384.35,81.28 ; 380.19,53.34 D107.A1 ; D107.A1 381.81,53.34 ; D107.A1 381,52.53 ; D107.A1 381,54.15 ; D302.A13 338.53,63.5 ; D302.A13 337.11,63.5 ; D302.A13 337.82,64.21 ; D302.A13 337.82,62.79 ; 38.1,93.17 D125.A11 ; D125.A11 38.1,94.79 ; D125.A11 37.29,93.98 ; D125.A11 38.91,93.98 ; SITE1.G15 251.91,242.83 ; SITE1.G15 251.43,242.35 ; SITE1.G15 251.43,243.31 ; SITE1.G15 250.95,242.83 ; D102.A11 333.55,73.66 ; D102.A11 332.74,72.85 ; D102.A11 331.93,73.66 ; D102.A11 332.74,74.47 ; 22.86,52.53 D127.A5 ; D127.A5 22.05,53.34 ; D127.A5 22.86,54.15 ; D127.A5 23.67,53.34 ; 309.17,91.44 D301.B2 ; D301.B2 310.59,91.44 ; D301.B2 309.88,90.73 ; D301.B2 309.88,92.15 ; 329.39,393.7 D116.A8 ; D116.A8 331.01,393.7 ; D116.A8 330.2,392.89 ; D116.A8 330.2,394.51 ; 393.7,75.39 D106.A6 ; D106.A6 394.51,76.2 ; D106.A6 392.89,76.2 ; D106.A6 393.7,77.01 ; 121.92,98.25 D129.B15 ; D129.B15 121.92,99.87 ; D129.B15 121.11,99.06 ; D129.B15 122.73,99.06 ; 388.62,39.83 D108.B4 ; D108.B4 388.62,41.45 ; D108.B4 387.81,40.64 ; D108.B4 389.43,40.64 ; 334.47,368.3 D115.B6 ; D115.B6 335.28,369.11 ; D115.B6 335.28,367.49 ; D115.B6 336.09,368.3 ; 172.72,34.75 D120.A6 ; D120.A6 172.72,36.37 ; D120.A6 173.53,35.56 ; D120.A6 171.91,35.56 ; D318.A6 172.72,66.75 ; D318.A6 172.72,65.33 ; D318.A6 173.43,66.04 ; D318.A6 172.01,66.04 ; D317.A1 160.02,84.53 ; D317.A1 160.02,83.11 ; D317.A1 159.31,83.82 ; D317.A1 160.73,83.82 ; 96.52,98.25 D129.B5 ; D129.B5 97.33,99.06 ; D129.B5 95.71,99.06 ; D129.B5 96.52,99.87 ; D131.A16 125.27,55.88 ; D131.A16 124.46,56.69 ; D131.A16 123.65,55.88 ; D131.A16 124.46,55.07 ; D431.B10 178.61,378.46 ; D431.B10 177.8,379.27 ; D431.B10 176.99,378.46 ; D431.B10 177.8,377.65 ; D321.B7 248.92,89.61 ; D321.B7 248.21,88.9 ; D321.B7 249.63,88.9 ; D321.B7 248.92,88.19 ; D111.A9 402.13,375.92 ; D111.A9 401.32,375.11 ; D111.A9 400.51,375.92 ; D111.A9 401.32,376.73 ; 393.7,367.49 D111.B12 ; D111.B12 394.51,368.3 ; D111.B12 392.89,368.3 ; D111.B12 393.7,369.11 ; DPS8.C05 191.31,410.21 ; DPS8.C05 190.5,409.4 ; DPS8.C05 189.69,410.21 ; DPS8.C05 190.5,411.02 ; D302.B14 341.07,71.12 ; D302.B14 339.65,71.12 ; D302.B14 340.36,71.83 ; D302.B14 340.36,70.41 ; 248.92,77.93 D122.B7 ; D122.B7 248.11,78.74 ; D122.B7 249.73,78.74 ; D122.B7 248.92,79.55 ; D130.A11 112.57,73.66 ; D130.A11 111.76,74.47 ; D130.A11 110.95,73.66 ; D130.A11 111.76,72.85 ; D110.B4 414.83,347.98 ; D110.B4 414.02,348.79 ; D110.B4 414.02,347.17 ; D110.B4 413.21,347.98 ; D132.A2 88.9,36.37 ; D132.A2 89.71,35.56 ; D132.A2 88.9,34.75 ; D132.A2 88.09,35.56 ; 29.67,55.88 D127.A8 ; D127.A8 30.48,55.07 ; D127.A8 30.48,56.69 ; D127.A8 31.29,55.88 ; D107.B12 409.75,60.96 ; D107.B12 408.94,61.77 ; D107.B12 408.94,60.15 ; D107.B12 408.13,60.96 ; 314.96,392.89 D116.A14 ; D116.A14 314.96,394.51 ; D116.A14 314.15,393.7 ; D116.A14 315.77,393.7 ; 325.12,60.15 D103.B8 ; D103.B8 324.31,60.96 ; D103.B8 325.12,61.77 ; D103.B8 325.93,60.96 ; 414.02,392.89 D112.A4 ; D112.A4 414.02,394.51 ; D112.A4 413.21,393.7 ; D112.A4 414.83,393.7 ; 165.1,414.48 DPS8.A15 ; DPS8.A15 164.29,415.29 ; DPS8.A15 165.1,416.1 ; DPS8.A15 165.91,415.29 ; D113.A16 310.69,332.74 ; D113.A16 309.07,332.74 ; D113.A16 309.88,333.55 ; D113.A16 309.88,331.93 ; 241.3,60.15 D123.B4 ; D123.B4 242.11,60.96 ; D123.B4 240.49,60.96 ; D123.B4 241.3,61.77 ; 172.72,331.93 CSDPS229.B12 ; CSDPS229.B12 171.91,332.74 ; CSDPS229.B12 173.53,332.74 ; CSDPS229.B12 172.72,333.55 ; D111.B1 421.64,371.65 ; D111.B1 421.64,370.03 ; D111.B1 420.83,370.84 ; D111.B1 422.45,370.84 ; D120.A13 191.31,33.02 ; D120.A13 190.5,33.83 ; D120.A13 190.5,32.21 ; D120.A13 189.69,33.02 ; DPS3.A11 259.89,13.97 ; DPS3.A11 259.08,14.78 ; DPS3.A11 259.08,13.16 ; DPS3.A11 258.27,13.97 ; D318.B13 191.21,68.58 ; D318.B13 189.79,68.58 ; D318.B13 190.5,67.87 ; D318.B13 190.5,69.29 ; 254,83.11 D321.A9 ; D321.A9 254.71,83.82 ; D321.A9 254,84.53 ; D321.A9 253.29,83.82 ; D103.B3 313.23,58.42 ; D103.B3 312.42,57.61 ; D103.B3 312.42,59.23 ; D103.B3 311.61,58.42 ; 101.6,77.93 D130.B7 ; D130.B7 102.41,78.74 ; D130.B7 100.79,78.74 ; D130.B7 101.6,79.55 ; 398.78,387.81 D112.B10 ; D112.B10 397.97,388.62 ; D112.B10 399.59,388.62 ; D112.B10 398.78,389.43 ; 169.37,58.42 D119.B5 ; D119.B5 170.18,57.61 ; D119.B5 170.18,59.23 ; D119.B5 170.99,58.42 ; D305.A1 381.71,83.82 ; D305.A1 380.29,83.82 ; D305.A1 381,84.53 ; D305.A1 381,83.11 ; 403.05,332.74 D109.A8 ; D109.A8 403.86,331.93 ; D109.A8 404.67,332.74 ; D109.A8 403.86,333.55 ; D431.A8 183.69,383.54 ; D431.A8 182.07,383.54 ; D431.A8 182.88,382.73 ; D431.A8 182.88,384.35 ; 397.97,332.74 D109.A10 ; D109.A10 399.59,332.74 ; D109.A10 398.78,333.55 ; D109.A10 398.78,331.93 ; 24.59,96.52 D125.A6 ; D125.A6 25.4,95.71 ; D125.A6 26.21,96.52 ; D125.A6 25.4,97.33 ; 159.31,88.9 D317.B1 ; D317.B1 160.02,88.19 ; D317.B1 160.02,89.61 ; D317.B1 160.73,88.9 ; D118.A7 176.07,73.66 ; D118.A7 175.26,72.85 ; D118.A7 175.26,74.47 ; D118.A7 174.45,73.66 ; 182.17,66.04 D318.A10 ; D318.A10 183.59,66.04 ; D318.A10 182.88,66.75 ; D318.A10 182.88,65.33 ; D123.A14 266.7,56.69 ; D123.A14 266.7,55.07 ; D123.A14 267.51,55.88 ; D123.A14 265.89,55.88 ; 243.03,73.66 D122.A5 ; D122.A5 243.84,74.47 ; D122.A5 243.84,72.85 ; D122.A5 244.65,73.66 ; S2_I2C.4 505.89,203.45 ; S2_I2C.4 504.95,202.51 ; S2_I2C.4 504.95,204.39 ; S2_I2C.4 504.01,203.45 ; D127.B5 23.67,58.42 ; D127.B5 22.86,57.61 ; D127.B5 22.05,58.42 ; D127.B5 22.86,59.23 ; 27.94,93.17 D125.A7 ; D125.A7 28.75,93.98 ; D125.A7 27.13,93.98 ; D125.A7 27.94,94.79 ; 103.33,76.2 D130.A8 ; D130.A8 104.95,76.2 ; D130.A8 104.14,77.01 ; D130.A8 104.14,75.39 ; D115.A6 335.28,374.19 ; D115.A6 335.28,372.57 ; D115.A6 336.09,373.38 ; D115.A6 334.47,373.38 ; 316.79,88.9 D301.B5 ; D301.B5 318.21,88.9 ; D301.B5 317.5,88.19 ; D301.B5 317.5,89.61 ; D132.A9 107.49,33.02 ; D132.A9 106.68,33.83 ; D132.A9 105.87,33.02 ; D132.A9 106.68,32.21 ; D124.A3 239.57,33.02 ; D124.A3 237.95,33.02 ; D124.A3 238.76,32.21 ; D124.A3 238.76,33.83 ; D115.A15 313.23,375.92 ; D115.A15 312.42,376.73 ; D115.A15 311.61,375.92 ; D115.A15 312.42,375.11 ; 329.03,245.95 SITE2.G17 ; SITE2.G17 328.55,246.43 ; SITE2.G17 329.51,246.43 ; SITE2.G17 329.03,246.91 ; 121.92,77.93 D130.B15 ; D130.B15 121.11,78.74 ; D130.B15 121.92,79.55 ; D130.B15 122.73,78.74 ; D112.A8 403.86,394.51 ; D112.A8 403.86,392.89 ; D112.A8 403.05,393.7 ; D112.A8 404.67,393.7 ; D306.A1 381.71,63.5 ; D306.A1 380.29,63.5 ; D306.A1 381,64.21 ; D306.A1 381,62.79 ; SITE4.G13 329.03,183.31 ; SITE4.G13 329.03,182.35 ; SITE4.G13 329.51,182.83 ; SITE4.G13 328.55,182.83 ; 258.37,63.5 D322.A11 ; D322.A11 259.08,64.21 ; D322.A11 259.79,63.5 ; D322.A11 259.08,62.79 ; D122.B10 256.54,82.09 ; D122.B10 255.73,81.28 ; D122.B10 257.35,81.28 ; D122.B10 256.54,80.47 ; D109.A12 393.7,333.55 ; D109.A12 393.7,331.93 ; D109.A12 392.89,332.74 ; D109.A12 394.51,332.74 ; 309.07,60.96 D103.B2 ; D103.B2 309.88,60.15 ; D103.B2 310.69,60.96 ; D103.B2 309.88,61.77 ; D317.A9 181.05,83.82 ; D317.A9 180.34,83.11 ; D317.A9 180.34,84.53 ; D317.A9 179.63,83.82 ; D305.B4 388.62,92.15 ; D305.B4 389.33,91.44 ; D305.B4 388.62,90.73 ; D305.B4 387.91,91.44 ; 331.93,53.34 D103.A11 ; D103.A11 332.74,54.15 ; D103.A11 333.55,53.34 ; D103.A11 332.74,52.53 ; 169.37,78.74 D118.B5 ; D118.B5 170.18,79.55 ; D118.B5 170.18,77.93 ; D118.B5 170.99,78.74 ; 97.29,160.91 UNK3U1.4 ; UNK3U1.4 96.35,161.85 ; UNK3U1.4 98.23,161.85 ; UNK3U1.4 97.29,162.79 ; 248.55,242.83 SITE1.G13 ; SITE1.G13 249.03,242.35 ; SITE1.G13 249.03,243.31 ; SITE1.G13 249.51,242.83 ; 199.85,415.29 DPS8.A01 ; DPS8.A01 200.66,414.48 ; DPS8.A01 201.47,415.29 ; DPS8.A01 200.66,416.1 ; 268.53,88.9 D321.B15 ; D321.B15 269.95,88.9 ; D321.B15 269.24,88.19 ; D321.B15 269.24,89.61 ; D130.A7 102.41,73.66 ; D130.A7 101.6,74.47 ; D130.A7 100.79,73.66 ; D130.A7 101.6,72.85 ; CSDPS229.C5 190.5,331.01 ; CSDPS229.C5 190.5,329.39 ; CSDPS229.C5 189.69,330.2 ; CSDPS229.C5 191.31,330.2 ; 330.2,75.39 D102.A10 ; D102.A10 330.2,77.01 ; D102.A10 329.39,76.2 ; D102.A10 331.01,76.2 ; 385.37,63.5 D306.A3 ; D306.A3 386.08,64.21 ; D306.A3 386.08,62.79 ; D306.A3 386.79,63.5 ; D131.B6 99.87,60.96 ; D131.B6 99.06,61.77 ; D131.B6 98.25,60.96 ; D131.B6 99.06,60.15 ; 22.86,32.21 D128.A5 ; D128.A5 22.05,33.02 ; D128.A5 22.86,33.83 ; D128.A5 23.67,33.02 ; 322.58,370.03 D115.B11 ; D115.B11 321.77,370.84 ; D115.B11 322.58,371.65 ; D115.B11 323.39,370.84 ; 88.09,60.96 D131.B2 ; D131.B2 88.9,60.15 ; D131.B2 88.9,61.77 ; D131.B2 89.71,60.96 ; 170.18,72.85 D118.A5 ; D118.A5 169.37,73.66 ; D118.A5 170.99,73.66 ; D118.A5 170.18,74.47 ; 309.07,35.56 D104.A2 ; D104.A2 309.88,34.75 ; D104.A2 310.69,35.56 ; D104.A2 309.88,36.37 ; 321.77,415.29 DPS2.A11 ; DPS2.A11 322.58,416.1 ; DPS2.A11 322.58,414.48 ; DPS2.A11 323.39,415.29 ; 406.4,375.11 D111.A7 ; D111.A7 405.59,375.92 ; D111.A7 406.4,376.73 ; D111.A7 407.21,375.92 ; 197.31,60.96 D119.B16 ; D119.B16 198.12,61.77 ; D119.B16 198.93,60.96 ; D119.B16 198.12,60.15 ; DPS1.A15 417.37,13.97 ; DPS1.A15 415.75,13.97 ; DPS1.A15 416.56,14.78 ; DPS1.A15 416.56,13.16 ; D306.B9 401.32,69.29 ; D306.B9 401.32,67.87 ; D306.B9 402.03,68.58 ; D306.B9 400.61,68.58 ; D318.B2 162.56,71.83 ; D318.B2 163.27,71.12 ; D318.B2 162.56,70.41 ; D318.B2 161.85,71.12 ; 254,37.29 D124.B9 ; D124.B9 253.19,38.1 ; D124.B9 254,38.91 ; D124.B9 254.81,38.1 ; 312.42,349.71 D114.B15 ; D114.B15 313.23,350.52 ; D114.B15 311.61,350.52 ; D114.B15 312.42,351.33 ; D318.B12 187.96,71.83 ; D318.B12 187.25,71.12 ; D318.B12 187.96,70.41 ; D318.B12 188.67,71.12 ; 405.59,335.28 D109.A7 ; D109.A7 406.4,334.47 ; D109.A7 406.4,336.09 ; D109.A7 407.21,335.28 ; 236.22,70.41 D322.B2 ; D322.B2 236.22,71.83 ; D322.B2 235.51,71.12 ; D322.B2 236.93,71.12 ; 419.1,80.47 D106.B16 ; D106.B16 418.29,81.28 ; D106.B16 419.91,81.28 ; D106.B16 419.1,82.09 ; D119.A8 178.61,55.88 ; D119.A8 176.99,55.88 ; D119.A8 177.8,56.69 ; D119.A8 177.8,55.07 ; D108.B5 391.97,38.1 ; D108.B5 391.16,37.29 ; D108.B5 391.16,38.91 ; D108.B5 390.35,38.1 ; D111.B16 383.54,369.11 ; D111.B16 382.73,368.3 ; D111.B16 383.54,367.49 ; D111.B16 384.35,368.3 ; 198.12,372.57 D231.A2 ; D231.A2 198.12,374.19 ; D231.A2 198.93,373.38 ; D231.A2 197.31,373.38 ; 387.81,353.06 D110.A14 ; D110.A14 388.62,353.87 ; D110.A14 388.62,352.25 ; D110.A14 389.43,353.06 ; D130.A15 121.92,74.47 ; D130.A15 121.92,72.85 ; D130.A15 121.11,73.66 ; D130.A15 122.73,73.66 ; D102.A6 320.04,77.01 ; D102.A6 319.23,76.2 ; D102.A6 320.04,75.39 ; D102.A6 320.85,76.2 ; 340.36,85.65 D301.A14 ; D301.A14 339.65,86.36 ; D301.A14 340.36,87.07 ; D301.A14 341.07,86.36 ; 167.64,65.33 D318.A4 ; D318.A4 167.64,66.75 ; D318.A4 166.93,66.04 ; D318.A4 168.35,66.04 ; 330.2,39.83 D104.B10 ; D104.B10 330.2,41.45 ; D104.B10 329.39,40.64 ; D104.B10 331.01,40.64 ; D119.A6 172.72,56.69 ; D119.A6 172.72,55.07 ; D119.A6 171.91,55.88 ; D119.A6 173.53,55.88 ; 251.85,247.93 SITE1.G11 ; SITE1.G11 252.33,247.45 ; SITE1.G11 252.81,247.93 ; SITE1.G11 252.33,248.41 ; 101.6,93.17 D129.A7 ; D129.A7 101.6,94.79 ; D129.A7 100.79,93.98 ; D129.A7 102.41,93.98 ; 243.84,32.21 D124.A5 ; D124.A5 243.03,33.02 ; D124.A5 243.84,33.83 ; D124.A5 244.65,33.02 ; D321.B11 259.79,88.9 ; D321.B11 259.08,88.19 ; D321.B11 259.08,89.61 ; D321.B11 258.37,88.9 ; D120.A4 168.45,35.56 ; D120.A4 167.64,34.75 ; D120.A4 167.64,36.37 ; D120.A4 166.83,35.56 ; 268.43,38.1 D124.B15 ; D124.B15 269.24,37.29 ; D124.B15 270.05,38.1 ; D124.B15 269.24,38.91 ; D115.A10 325.12,374.19 ; D115.A10 325.12,372.57 ; D115.A10 325.93,373.38 ; D115.A10 324.31,373.38 ; 337.01,78.74 D102.B13 ; D102.B13 337.82,79.55 ; D102.B13 338.63,78.74 ; D102.B13 337.82,77.93 ; D130.B5 97.33,78.74 ; D130.B5 96.52,79.55 ; D130.B5 95.71,78.74 ; D130.B5 96.52,77.93 ; D131.A5 97.33,53.34 ; D131.A5 96.52,54.15 ; D131.A5 95.71,53.34 ; D131.A5 96.52,52.53 ; 345.44,387.81 D116.B2 ; D116.B2 345.44,389.43 ; D116.B2 344.63,388.62 ; D116.B2 346.25,388.62 ; SITE3.G8 249.81,187.93 ; SITE3.G8 249.33,188.41 ; SITE3.G8 248.85,187.93 ; SITE3.G8 249.33,187.45 ; 319.23,393.7 D116.A12 ; D116.A12 320.04,394.51 ; D116.A12 320.85,393.7 ; D116.A12 320.04,392.89 ; D124.A6 247.19,35.56 ; D124.A6 246.38,34.75 ; D124.A6 245.57,35.56 ; D124.A6 246.38,36.37 ; 108.41,40.64 D132.B10 ; D132.B10 109.22,39.83 ; D132.B10 109.22,41.45 ; D132.B10 110.03,40.64 ; D128.B12 41.45,40.64 ; D128.B12 39.83,40.64 ; D128.B12 40.64,41.45 ; D128.B12 40.64,39.83 ; 193.04,90.73 D317.B14 ; D317.B14 193.75,91.44 ; D317.B14 192.33,91.44 ; D317.B14 193.04,92.15 ; 22.05,73.66 D126.A5 ; D126.A5 22.86,72.85 ; D126.A5 23.67,73.66 ; D126.A5 22.86,74.47 ; 383.54,352.25 D110.A16 ; D110.A16 383.54,353.87 ; D110.A16 382.73,353.06 ; D110.A16 384.35,353.06 ; 250.75,91.44 D321.B8 ; D321.B8 251.46,90.73 ; D321.B8 252.17,91.44 ; D321.B8 251.46,92.15 ; D129.B12 115.11,101.6 ; D129.B12 114.3,100.79 ; D129.B12 114.3,102.41 ; D129.B12 113.49,101.6 ; DPS3.C05 244.65,19.05 ; DPS3.C05 243.84,18.24 ; DPS3.C05 243.84,19.86 ; DPS3.C05 243.03,19.05 ; 116.84,32.21 D132.A13 ; D132.A13 116.84,33.83 ; D132.A13 117.65,33.02 ; D132.A13 116.03,33.02 ; 167.64,331.93 CSDPS229.B14 ; CSDPS229.B14 168.45,332.74 ; CSDPS229.B14 166.83,332.74 ; CSDPS229.B14 167.64,333.55 ; D125.A10 35.56,97.33 ; D125.A10 36.37,96.52 ; D125.A10 35.56,95.71 ; D125.A10 34.75,96.52 ; 324.31,388.62 D116.B10 ; D116.B10 325.12,387.81 ; D116.B10 325.12,389.43 ; D116.B10 325.93,388.62 ; 166.83,383.54 D431.A14 ; D431.A14 167.64,382.73 ; D431.A14 168.45,383.54 ; D431.A14 167.64,384.35 ; D111.B2 419.91,368.3 ; D111.B2 418.29,368.3 ; D111.B2 419.1,367.49 ; D111.B2 419.1,369.11 ; D104.A5 318.31,33.02 ; D104.A5 316.69,33.02 ; D104.A5 317.5,32.21 ; D104.A5 317.5,33.83 ; 260.81,35.56 D124.A12 ; D124.A12 261.62,36.37 ; D124.A12 261.62,34.75 ; D124.A12 262.43,35.56 ; 119.38,34.75 D132.A14 ; D132.A14 119.38,36.37 ; D132.A14 120.19,35.56 ; D132.A14 118.57,35.56 ; 251.46,65.33 D322.A8 ; D322.A8 250.75,66.04 ; D322.A8 251.46,66.75 ; D322.A8 252.17,66.04 ; 390.35,73.66 D106.A5 ; D106.A5 391.16,74.47 ; D106.A5 391.16,72.85 ; D106.A5 391.97,73.66 ; 344.63,353.06 D114.A2 ; D114.A2 345.44,352.25 ; D114.A2 345.44,353.87 ; D114.A2 346.25,353.06 ; 408.13,388.62 D112.B6 ; D112.B6 408.94,387.81 ; D112.B6 408.94,389.43 ; D112.B6 409.75,388.62 ; D114.B7 333.55,350.52 ; D114.B7 331.93,350.52 ; D114.B7 332.74,349.71 ; D114.B7 332.74,351.33 ; D107.B3 386.89,58.42 ; D107.B3 386.08,57.61 ; D107.B3 385.27,58.42 ; D107.B3 386.08,59.23 ; 327.66,67.87 D302.B9 ; D302.B9 327.66,69.29 ; D302.B9 326.95,68.58 ; D302.B9 328.37,68.58 ; D111.B7 406.4,371.65 ; D111.B7 405.59,370.84 ; D111.B7 407.21,370.84 ; D111.B7 406.4,370.03 ; D231.A7 185.42,376.73 ; D231.A7 184.61,375.92 ; D231.A7 185.42,375.11 ; D231.A7 186.23,375.92 ; 33.02,52.53 D127.A9 ; D127.A9 33.83,53.34 ; D127.A9 33.02,54.15 ; D127.A9 32.21,53.34 ; D120.A8 178.61,35.56 ; D120.A8 177.8,36.37 ; D120.A8 177.8,34.75 ; D120.A8 176.99,35.56 ; 113.49,40.64 D132.B12 ; D132.B12 115.11,40.64 ; D132.B12 114.3,41.45 ; D132.B12 114.3,39.83 ; D124.B1 233.68,38.91 ; D124.B1 232.87,38.1 ; D124.B1 234.49,38.1 ; D124.B1 233.68,37.29 ; D127.A4 20.32,56.69 ; D127.A4 19.51,55.88 ; D127.A4 20.32,55.07 ; D127.A4 21.13,55.88 ; 170.18,83.11 D317.A5 ; D317.A5 170.18,84.53 ; D317.A5 170.89,83.82 ; D317.A5 169.47,83.82 ; S1_I2C.4 71.55,209.04 ; S1_I2C.4 70.61,209.98 ; S1_I2C.4 69.67,209.04 ; S1_I2C.4 70.61,208.1 ; D306.A6 394.41,66.04 ; D306.A6 392.99,66.04 ; D306.A6 393.7,65.33 ; D306.A6 393.7,66.75 ; 250.23,245.95 SITE1.G18 ; SITE1.G18 250.23,246.91 ; SITE1.G18 249.75,246.43 ; SITE1.G18 250.71,246.43 ; 400.51,58.42 D107.B9 ; D107.B9 402.13,58.42 ; D107.B9 401.32,57.61 ; D107.B9 401.32,59.23 ; D129.A1 87.17,93.98 ; D129.A1 85.55,93.98 ; D129.A1 86.36,94.79 ; D129.A1 86.36,93.17 ; 184.71,88.9 D317.B11 ; D317.B11 186.13,88.9 ; D317.B11 185.42,88.19 ; D317.B11 185.42,89.61 ; 171.91,81.28 D118.B6 ; D118.B6 173.53,81.28 ; D118.B6 172.72,80.47 ; D118.B6 172.72,82.09 ; D126.A15 49.07,73.66 ; D126.A15 47.45,73.66 ; D126.A15 48.26,74.47 ; D126.A15 48.26,72.85 ; 192.23,378.46 D431.B4 ; D431.B4 193.04,377.65 ; D431.B4 193.04,379.27 ; D431.B4 193.85,378.46 ; 314.15,35.56 D104.A4 ; D104.A4 314.96,36.37 ; D104.A4 314.96,34.75 ; D104.A4 315.77,35.56 ; 25.4,55.07 D127.A6 ; D127.A6 25.4,56.69 ; D127.A6 26.21,55.88 ; D127.A6 24.59,55.88 ; 266.7,342.09 CSDPS425.B4 ; CSDPS425.B4 266.7,343.71 ; CSDPS425.B4 267.51,342.9 ; CSDPS425.B4 265.89,342.9 ; 419.1,75.39 D106.A16 ; D106.A16 419.91,76.2 ; D106.A16 419.1,77.01 ; D106.A16 418.29,76.2 ; D118.B7 176.07,78.74 ; D118.B7 175.26,77.93 ; D118.B7 174.45,78.74 ; D118.B7 175.26,79.55 ; D109.B14 389.43,327.66 ; D109.B14 388.62,328.47 ; D109.B14 387.81,327.66 ; D109.B14 388.62,326.85 ; D110.A6 409.75,353.06 ; D110.A6 408.94,352.25 ; D110.A6 408.94,353.87 ; D110.A6 408.13,353.06 ; 398.07,66.04 D306.A8 ; D306.A8 398.78,65.33 